# Altium PCB JacdacRp2040BrainEc30-NoStamp 124.PcbDoc (part 1 of 2)
Units mm, origin at the board's own origin, x right, y up, seen from the top; angles counter-clockwise.
Board outline 36.5 x 25 mm, 2 copper layers (Top Layer, Bottom Layer), stack 1.525 mm thick; 82 components, 68 nets, 347 pads, 97 vias.
Unrouted connection lines stored in the file: 41.
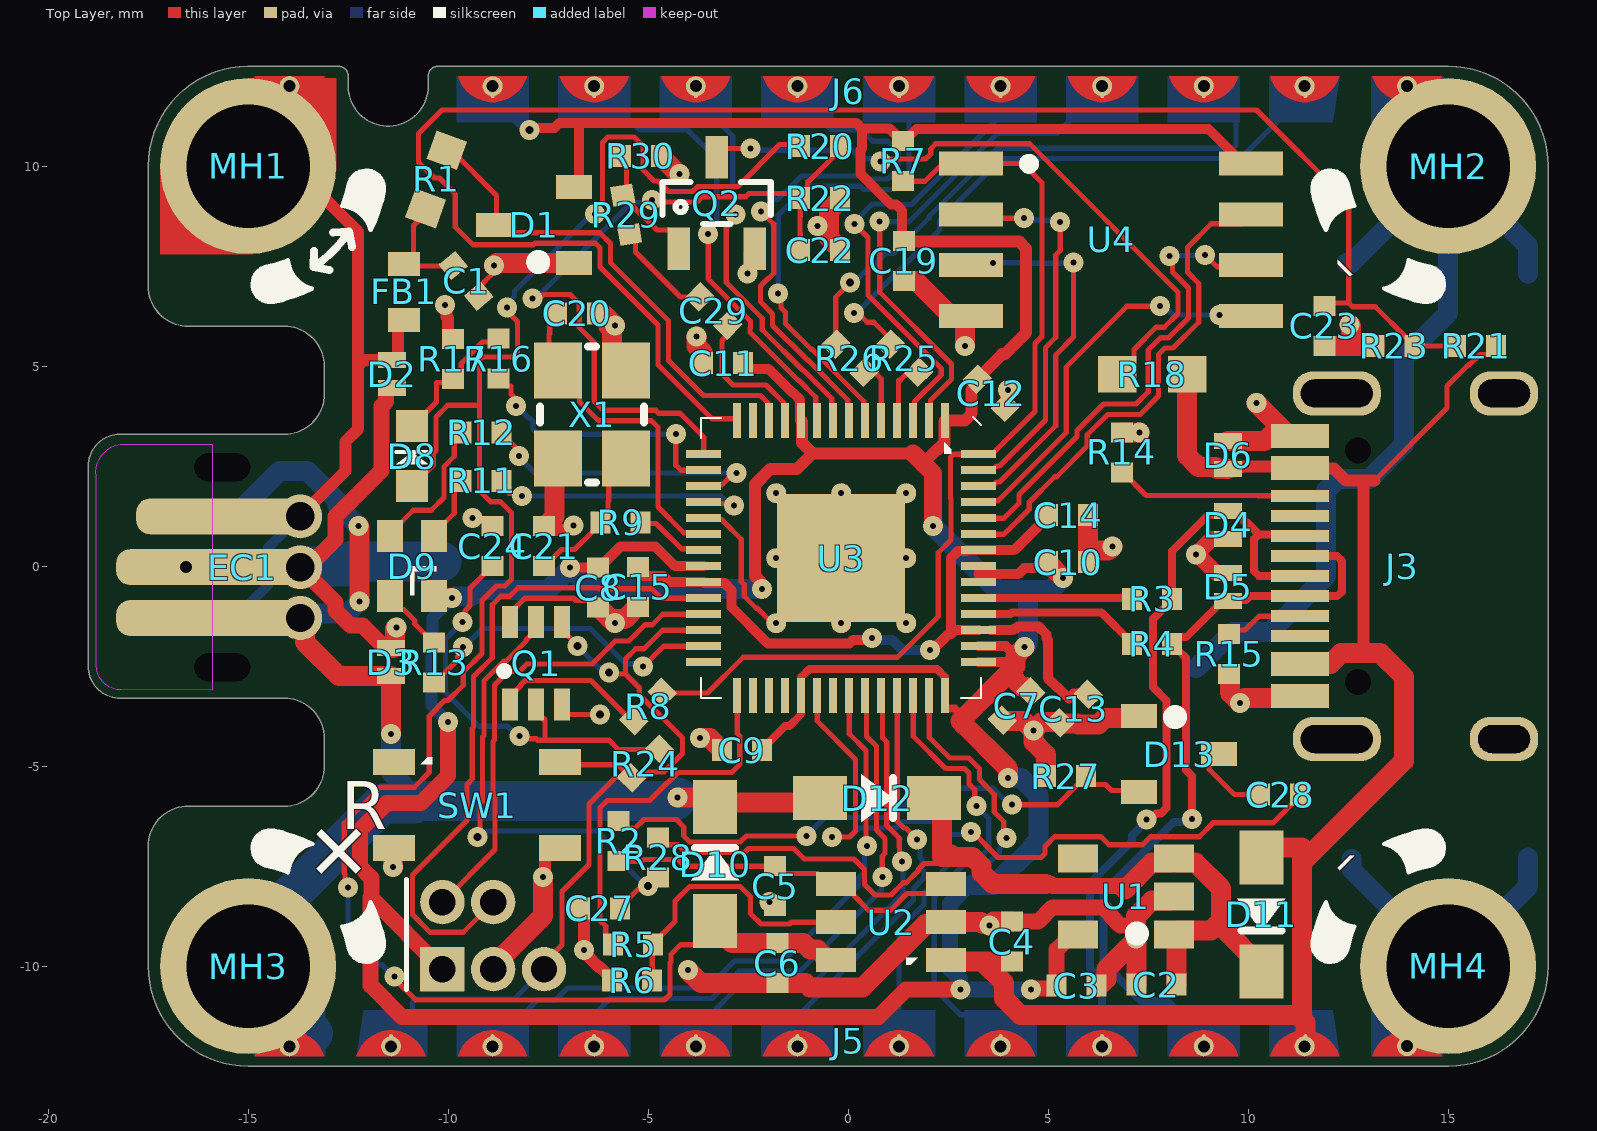
[diagram p0: Top Layer view]
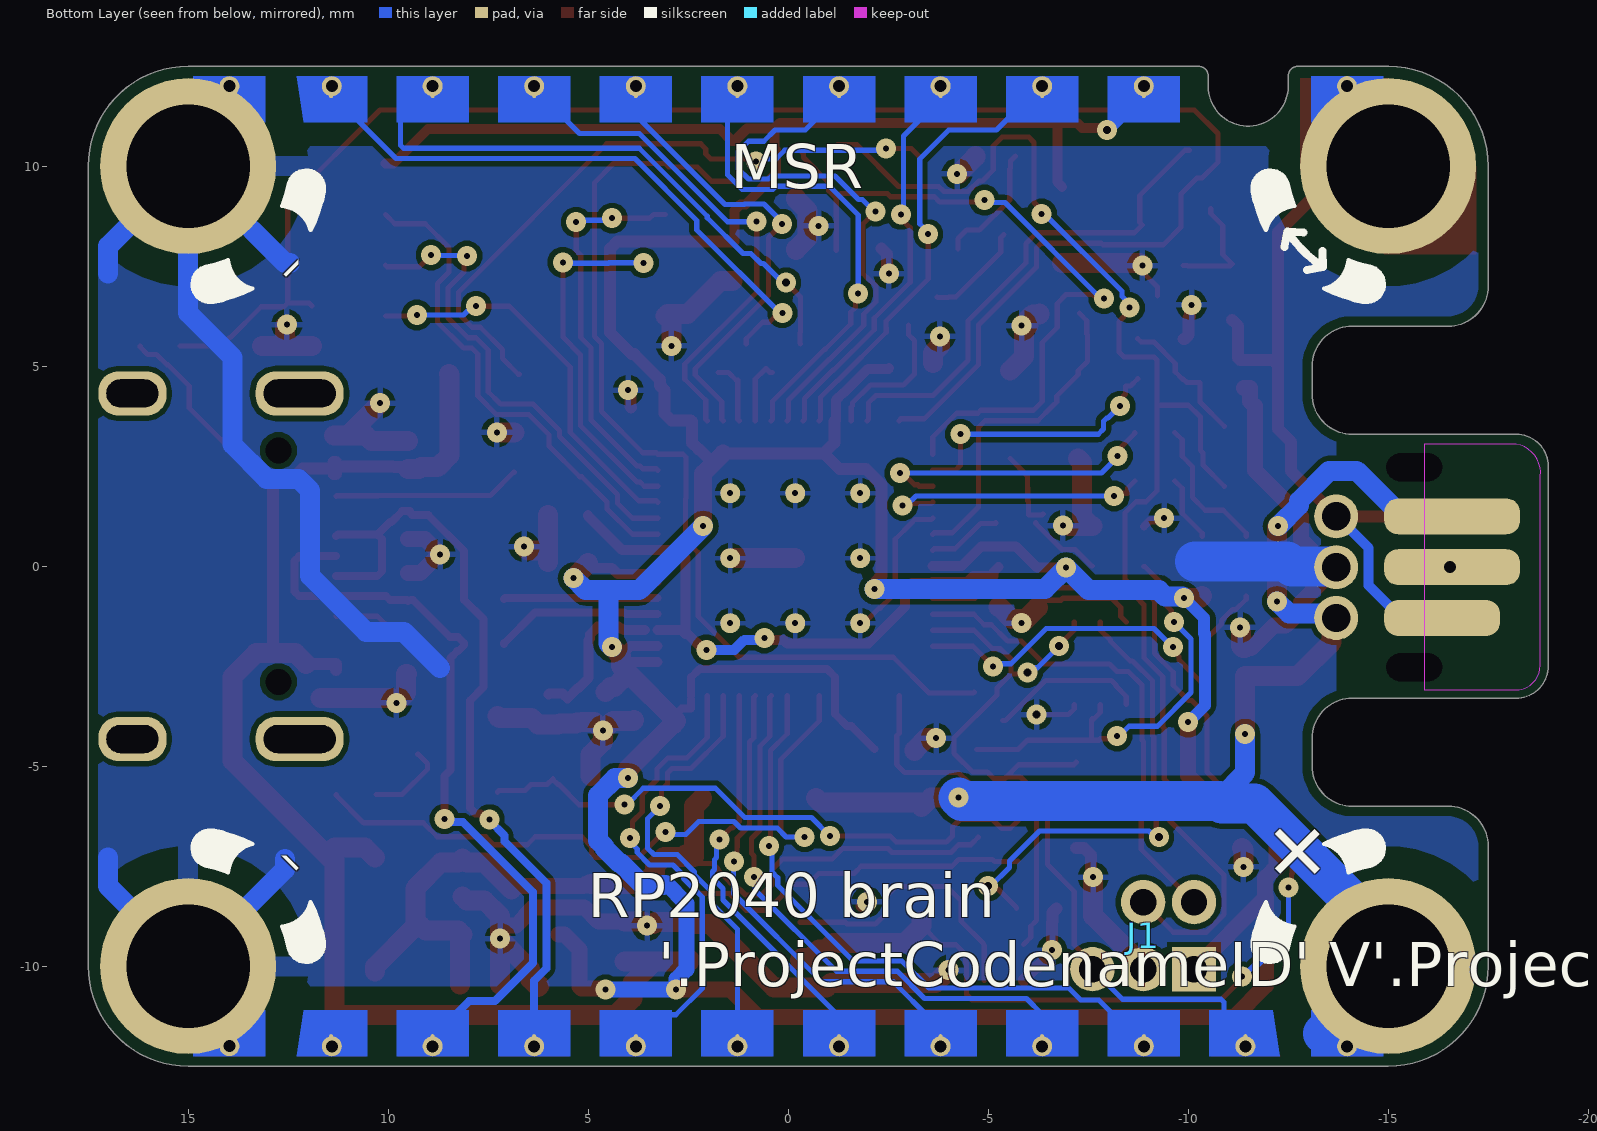
[diagram p1: Bottom Layer view, seen from below]

## Layer stack, top to bottom
Top Solder: solder mask 0.0102, Solder Resist, Dk 3.5
Top Layer: signal copper 0.0356
Dielectric 1: core 1.454, FR-4, Dk 4.2
Bottom Layer: signal copper 0.0356
Bottom Solder: solder mask 0.0102, Solder Resist, Dk 3.5

## Board outline
-17.5,-10 -17.5,-6.97 -17.5,-7 cw(c-16.5,-7) -16.5,-6 -14.1,-6 ccw(c-14.1,-5) -13.1,-5 -13.1,-4.3 ccw(c-14.1,-4.3) -14.1,-3.3 -18.2,-3.3 cw(c-18.2,-2.5) -19,-2.5 -19,2.5 cw(c-18.2,2.5) -18.2,3.3 -14.1,3.3 -14.098,3.3 ccw(c-14.098,4.3) -13.098,4.3 -13.1,4.3 -13.1,5 ccw(c-14.1,5) -14.1,6 -16.5,6 cw(c-16.5,7) -17.5,7 -17.5,6.97 -17.5,10 cw(c-15,10) -15,12.5 -12.75,12.5 cw(c-12.75,12.25) -12.5,12.25 -12.5,12 ccw(c-11.5,12) -10.5,12 -10.5,12.25 cw(c-10.25,12.25) -10.25,12.5 15,12.5 cw(c15,10) 17.5,10 17.5,-10 cw(c15,-10) 15,-12.5 -15,-12.5 cw(c-15,-10)

## Design rules (kind name [scope] priority, off if disabled: settings)
AssemblyTestPointUsage [All] p1: valid=2
BoardOutlineClearance StampHoleBoardOutlineClearance [InComponent('J5') or InComponent('J6')] p1: gap=0 ignorepadtopadclearanceinfootprint=FALSE
BoardOutlineClearance [All] p2: gap=0.25 ignorepadtopadclearanceinfootprint=FALSE except(0: Arc-SplitContinuation Track-SplitContinuation SMDPad-SplitContinuation THPad-SplitContinuation Via-SplitContinuation Fill-SplitContinuation Poly-SplitContinuation Region-SplitContinuation Text-SplitContinuation)
Clearance "Clearance MH" [InComponent('MH1') OR InComponent('MH2') OR InComponent('MH3') OR InComponent('MH4')] p1: gap=0.13 ignorepadtopadclearanceinfootprint=FALSE except(0: Arc-Hole Track-Hole SMDPad-Hole THPad-Hole Via-Hole Fill-Hole Poly-Hole Region-Hole Text-Hole; 0.8: Arc-Fill Arc-Poly Arc-Region Track-Fill Track-Poly Track-Region SMDPad-Fill SMDPad-Poly SMDPad-Region THPad-Fill THPad-Poly THPad-Region Via-Fill Via-Poly Via-Region Fill-Fill Fill-Poly Fill-Region Poly-Poly Poly-Region Region-Region)
Clearance [All] p2: gap=0.13 ignorepadtopadclearanceinfootprint=FALSE except(0: Arc-Hole Track-Hole SMDPad-Hole THPad-Hole Via-Hole Fill-Hole Poly-Hole Region-Hole Text-Hole)
ComponentClearance StampHoleComponentClearance [InComponent('MH1') or InComponent('MH2')  or InComponent('MH3')  or InComponent('MH4') vs InComponent('J5') or InComponent('J6')] p1: gap=0 collisioncheckmode=3 verticalgap=0 showdistances=FALSE
ComponentClearance [All] p2: gap=0.2 collisioncheckmode=3 verticalgap=0.2 showdistances=FALSE
DiffPairsRouting DiffPair_DIFF90DiffPairsRouting [InDifferentialPairClass('DIFF90')] p1: maxlimit=2 minlimit=0.2 mostfreqgap=0.2 toplayer_minwidth=0.2 toplayer_maxwidth=2 toplayer_prefwidth=0.2 bottomlayer_minwidth=0.2 bottomlayer_maxwidth=2 bottomlayer_prefwidth=0.2 substack1={CB9D278B-8BF5-444A-AAF4-837A2A9DF42D} toplayer_{cb9d278b-8bf5-444a-aaf4-837a2a9df42d}_minwidth=0.381 toplayer_{cb9d278b-8bf5-444a-aaf4-837a2a9df42d}_maxwidth=0.381 toplayer_{cb9d278b-8bf5-444a-aaf4-837a2a9df42d}_prefwidth=0.381 bottomlayer_{cb9d278b-8bf5-444a-aaf4-837a2a9df42d}_minwidth=0.381 bottomlayer_{cb9d278b-8bf5-444a-aaf4-837a2a9df42d}_maxwidth=0.381 bottomlayer_{cb9d278b-8bf5-444a-aaf4-837a2a9df42d}_prefwidth=0.381 substack2={826B8647-A721-4255-895A-19F9591B9CD1} toplayer_{826b8647-a721-4255-895a-19f9591b9cd1}_minwidth=0.381 toplayer_{826b8647-a721-4255-895a-19f9591b9cd1}_maxwidth=0.381 toplayer_{826b8647-a721-4255-895a-19f9591b9cd1}_prefwidth=0.381 bottomlayer_{826b8647-a721-4255-895a-19f9591b9cd1}_minwidth=0.381 bottomlayer_{826b8647-a721-4255-895a-19f9591b9cd1}_maxwidth=0.381 bottomlayer_{826b8647-a721-4255-895a-19f9591b9cd1}_prefwidth=0.381 substack3={E64FCAF4-1BC8-437D-B1E0-0E5F2DC0F59E} toplayer_{e64fcaf4-1bc8-437d-b1e0-0e5f2dc0f59e}_minwidth=0.381 toplayer_{e64fcaf4-1bc8-437d-b1e0-0e5f2dc0f59e}_maxwidth=0.381 toplayer_{e64fcaf4-1bc8-437d-b1e0-0e5f2dc0f59e}_prefwidth=0.381 bottomlayer_{e64fcaf4-1bc8-437d-b1e0-0e5f2dc0f59e}_minwidth=0.381 bottomlayer_{e64fcaf4-1bc8-437d-b1e0-0e5f2dc0f59e}_maxwidth=0.381 bottomlayer_{e64fcaf4-1bc8-437d-b1e0-0e5f2dc0f59e}_prefwidth=0.381 substack4={E61CE66C-507C-4E1E-8E83-C905434AFC1C} toplayer_{e61ce66c-507c-4e1e-8e83-c905434afc1c}_minwidth=0.381 toplayer_{e61ce66c-507c-4e1e-8e83-c905434afc1c}_maxwidth=0.381 toplayer_{e61ce66c-507c-4e1e-8e83-c905434afc1c}_prefwidth=0.381 bottomlayer_{e61ce66c-507c-4e1e-8e83-c905434afc1c}_minwidth=0.381 bottomlayer_{e61ce66c-507c-4e1e-8e83-c905434afc1c}_maxwidth=0.381 bottomlayer_{e61ce66c-507c-4e1e-8e83-c905434afc1c}_prefwidth=0.381 filterlayerstackid={285EF71D-43CD-4455-94EE-AC1A71E951D2} maxuncoupledlength=12.7
FabricationTestPointUsage [All] p1: valid=2 allowmultiple=FALSE
HoleSize [All] p1: absolutevalues=TRUE maxlimit=6 minlimit=0.15 maxpercent=80.000 minpercent=20.000
HoleToHoleClearance [All] p1: gap=0.4 allowstackedmicrovias=TRUE
MatchedLengths DiffPair_DIFF90MatchedLengths [InDifferentialPair ('USB_D')] p1: tolerance=25.4 checknetsindiffpair=FALSE checkdiffpairvsdiffpair=TRUE checkxsignals=TRUE checkothers=TRUE
MinimumSolderMaskSliver [All] p1: minsoldermaskwidth=0.005
PlaneClearance [All] p1: clearance=0.15
PlaneConnect [All] p1: planeconnectstyle=Relief reliefexpansion=0.3 reliefentries=4 reliefconductorwidth=0.13 reliefairgap=0.13
PolygonConnect "PolygonConnect MH" [InComponent('MH1') OR InComponent('MH2') OR InComponent('MH3') OR InComponent('MH4')] p1: connectstyle=Relief reliefconductorwidth=0.5 reliefentries=4 polygonreliefangle="90 Angle" airgapwidth=0.8
PolygonConnect "PolygonConnect Vias" [isVIA] p2: connectstyle=Relief reliefconductorwidth=0.15 reliefentries=4 polygonreliefangle="90 Angle" airgapwidth=0.13
PolygonConnect [All] p3: connectstyle=Relief reliefconductorwidth=0.13 reliefentries=4 polygonreliefangle="90 Angle" airgapwidth=0.13
RoutingVias [All] p1: holewidth=0.2 width=0.5 viastyle="Through Hole" minholewidth=0.15 minwidth=0.5 maxholewidth=0.3 maxwidth=0.8
SilkToSilkClearance [All] p1: silktosilkclearance=0.001
SilkToSolderMaskClearance [IsPad] p1: minsilkscreentomaskgap=0.05 clearancetoexposedcopper=TRUE
SolderMaskExpansion [All] p1: expansion=0.075 istentingtop=FALSE
UnRoutedNet [All] p1: checkbadconnections=TRUE
Width [All] p1: maxlimit=2 minlimit=0.13 preferedwidth=0.13 substack1={CB9D278B-8BF5-444A-AAF4-837A2A9DF42D} toplayer_{cb9d278b-8bf5-444a-aaf4-837a2a9df42d}_minwidth=0.15 toplayer_{cb9d278b-8bf5-444a-aaf4-837a2a9df42d}_prefwidth=0.15 bottomlayer_{cb9d278b-8bf5-444a-aaf4-837a2a9df42d}_minwidth=0.15 bottomlayer_{cb9d278b-8bf5-444a-aaf4-837a2a9df42d}_prefwidth=0.15 substack2={826B8647-A721-4255-895A-19F9591B9CD1} toplayer_{826b8647-a721-4255-895a-19f9591b9cd1}_minwidth=0.15 toplayer_{826b8647-a721-4255-895a-19f9591b9cd1}_prefwidth=0.15 bottomlayer_{826b8647-a721-4255-895a-19f9591b9cd1}_minwidth=0.15 bottomlayer_{826b8647-a721-4255-895a-19f9591b9cd1}_prefwidth=0.15 substack3={E64FCAF4-1BC8-437D-B1E0-0E5F2DC0F59E} toplayer_{e64fcaf4-1bc8-437d-b1e0-0e5f2dc0f59e}_minwidth=0.15 toplayer_{e64fcaf4-1bc8-437d-b1e0-0e5f2dc0f59e}_prefwidth=0.15 bottomlayer_{e64fcaf4-1bc8-437d-b1e0-0e5f2dc0f59e}_minwidth=0.15 bottomlayer_{e64fcaf4-1bc8-437d-b1e0-0e5f2dc0f59e}_prefwidth=0.15 substack4={E61CE66C-507C-4E1E-8E83-C905434AFC1C} toplayer_{e61ce66c-507c-4e1e-8e83-c905434afc1c}_minwidth=0.15 toplayer_{e61ce66c-507c-4e1e-8e83-c905434afc1c}_prefwidth=0.15 bottomlayer_{e61ce66c-507c-4e1e-8e83-c905434afc1c}_minwidth=0.15 bottomlayer_{e61ce66c-507c-4e1e-8e83-c905434afc1c}_prefwidth=0.15 minimp=50.000000 maximp=50.000000 favimp=50.000000
18 further rules are at their usual default settings.

## Classes and differential pairs
differential pair USB_D: +USB_D_P -USB_D_N
differential pair MCU_USB_D: +MCU_USB_D_P -MCU_USB_D_N

## Components (designator, comment, footprint, x,y, rotation, side; value= is the part's Value field where it differs from the comment)
C1 "CL05C330JB51PNC" "C0402_0.55MM - without outline" -9.554,7.135 r130 top
C2 "CL05A105KP5NNNC" "C0402_0.55MM - without outline" 7.703,-10.457 r0 top
C3 "CL05A105KP5NNNC" "C0402_0.55MM - without outline" 5.713,-10.482 r180 top
C4 "CL05A475MP5NRNC" "C0402_0.55mm - without outline" 4.09,-9.385 r270 top
C5 "CL05A475MP5NRNC" "C0402_0.55mm - without outline" -1.827,-8 r90 top
C6 "CL05A475MP5NRNC" "C0402_0.55mm - without outline" -1.769,-9.921 r90 top
C7 "CL05A105KP5NNNC" "C0402_0.55MM - without outline" 4.21,-3.493 r45 top
C8 "CL05A105KP5NNNC" "C0402_0.55MM - without outline" -6.25,-0.538 r90 top
C9 "CL05A105KP5NNNC" "C0402_0.55MM - without outline" -2.656,-4.6 r0 top
C10 "CL05A105KP5NNNC" "C0402_0.55MM - without outline" 5.5,0.1 r180 top
C11 "CL05A105KP5NNNC" "C0402_0.55MM - without outline" -3.125,5.075 r0 top
C12 "CL05A105KP5NNNC" "C0402_0.55MM - without outline" 3.576,4.325 r135 top
C13 "CL05A105KP5NNNC" "C0402_0.55MM - without outline" 5.641,-3.559 r45 top
C14 "CL05B104KP5NNNC" "C0402_0.55MM - without outline" 5.5,1.275 r180 top
C15 "CL05B104KP5NNNC" "C0402_0.55MM - without outline" -5.255,-0.516 r90 top
C19 "CL05A105KP5NNNC" "C0402_0.55MM - without outline" 1.392,7.631 r90 top
C20 "CL05C150JB5NNNC" "C0402_0.55MM - without outline" -6.779,6.322 r0 top
C21 "CL05C150JB5NNNC" "C0402_0.55MM - without outline" -7.605,0.505 r90 top
C22 "CL05B104KP5NNNC" "C0402_0.55MM - without outline" -0.7,7.9 r180 top
C23 "CL05B104KP5NNNC" "C0402_0.55MM - without outline" 11.904,6.007 r90 top
C24 "CL05A475MP5NRNC" "C0402_0.55mm - without outline" -8.89,0.505 r270 top
C27 "CL05A475MP5NRNC" "C0402_0.55MM - without outline" -6.208,-8.556 r0 top
C28 "CL05A105KP5NNNC" "C0402_0.55MM - without outline" 10.8,-5.707 r0 top
C29 "CL05A475MP5NRNC" "C0402_0.55mm - without outline" -3.364,6.381 r135 top
D1 "BAT54S" "NXP-BAT54S-TO-236AB - WITHOUT OUTLINE" -7.85,8.53 r180 top
D2 "RCLAMP0521P-N" "TVS 0402 - L" -11.4,4.8 r270 top
D3 "RCLAMP0521P-N" "TVS 0402 - L" -11.425,-2.4 r90 top
D4 "RCLAMP0521P-N" "TVS 0402 - L" 9.5,1.025 r270 top
D5 "RCLAMP0521P-N" "TVS 0402 - L" 9.5,-0.525 r90 top
D6 "RCLAMP0521P-N" "TVS 0402 - L" 9.5,2.775 r90 top
D8 "Everlight Elec'''" "0603 Green" -10.9,2.75 r270 top
D9 "TZ-P4-1615RGBTCA1-0.55T" TZ-P4-1615RGBTCA1-0.55T -10.9,0 r90 top
D10 "RB161MM-20TR" "SOD-123F - without outline" -3.33,-7.45 r270 top
D11 "RB161MM-20TR" "SOD-123F - without outline" 10.33,-8.711 r90 top
D12 "RB161MM-20TR" "SOD-123F - without outline" 0.725,-5.8 r180 top
D13 "BAT54S" "NXP-BAT54S-TO-236AB - without outline" 8.271,-4.698 r0 top
EC1 "Jacdac edge connector" JACDAC_EDGE_CONNECTOR_NO_TRACES_3D_PADS -13.15,-0.023 r90 top
FB1 "TDK MPZ1608S102ATA00" "TDK MPZ1608 0.8mm - without outline" -11.1,6.858 r90 top
J1 "Hack Connect Mini 1.27 mm pitch 2-row" HACK_CONNECT_MINI_5_X_1_27 -10.145,-10.075 r90 bottom
J3 "TYPE-C-31-M-12" TYPE-C-31-M-12 11.3,0 r90 top
J5 "0.1\"" "Jacdac EC30 stamp holes 30mm bottom-NoStamp" 0,-12.5 r180 top
J6 "0.1\"" "Jacdac EC30 stamp holes 30mm top-NoStamp" 0,12.5 r180 top
MH1 "MH_7.0MMK_4.4MMC_3.1MMD_PTH" MH_7.0MMK_4.4MMC_3.1MMD_PTH-SILK_D -15,10 r0 top
MH2 "MH_7.0MMK_4.4MMC_3.1MMD_PTH" MH_7.0MMK_4.4MMC_3.1MMD_PTH-SILK_G 15,10 r90 top
MH3 "MH_7.0MMK_4.4MMC_3.1MMD_PTH" MH_7.0MMK_4.4MMC_3.1MMD_PTH-SILK_P -15,-10 r0 top
MH4 "MH_7.0MMK_4.4MMC_3.1MMD_PTH" MH_7.0MMK_4.4MMC_3.1MMD_PTH-SILK_G 15,-10 r0 top
Q1 "BCM857BS" GENERIC-SOT363-NO-SILK -7.8,-2.423 r0 top
Q2 "2N7002K" SOT23-ONS -3.289,9.08 r0 top
R1 "RC0603FR-07220RL" RC0603 -10.3,9.67 r70 top
R2 "RC0402FR-07330KL" "R0402 - without outline" -5.738,-6.868 r270 top
R3 "RC0402FR-0727RL" "R0402 - Without outline" 7.6,-0.818 r0 top
R4 "RC0402FR-0727RL" "R0402 - Without outline" 7.6,-1.95 r0 top
R5 "RC0402FR-0768KL" "R0402 - Without outline" -5.379,-9.461 r0 top
R6 "RC0402FR-0756KL" "R0402 - Without outline" -5.4,-10.353 r0 top
R7 "RC0402FR-0710KL" "R0402 - Without outline" 1.375,10.125 r270 top
R8 "RC0402FR-071KL" "R0402 - Without outline" -5.005,-3.507 r225 top
R9 "RC0402FR-071KL" "R0402 - Without outline" -5.688,1.095 r0 top
R11 "RC0402FR-0727RL" "R0402 - Without outline" -9.164,2.133 r0 top
R12 "RC0402FR-0727RL" "R0402 - Without outline" -9.164,3.345 r0 top
R13 "RC0402FR-07150RL" "R0402 - Without outline" -10.35,-2.401 r270 top
R14 "RC0402JR-075K1L" "R0402 - Without outline" 6.842,2.849 r90 top
R15 "RC0402JR-075K1L" "R0402 - Without outline" 9.525,-2.196 r270 top
R16 "RC0402FR-0733KL" "R0402 - Without outline" -8.74,5.188 r90 top
R17 "RC0402FR-0756KL" "R0402 - Without outline" -9.884,5.175 r90 top
R18 "RC0603FR-0739RL" RC0603-M 7.6,4.8 r0 top
R20 "RC0402FR-075K6L" "R0402 - Without outline" -0.7,10.5 r180 top
R21 "RC0402FR-075K6L" "R0402 - Without outline" 15.7,5.507 r0 top
R22 "RC0402FR-075K6L" "R0402 - Without outline" -0.7,9.2 r180 top
R23 "RC0402FR-075K6L" "R0402 - Without outline" 13.654,5.507 r0 top
R24 "RC0402FR-07150KL" "R0402 - Without outline" -5.065,-4.935 r45 top
R25 "RC0402JR-070RL" "R0402 - Without outline" 1.405,5.2 r135 top
R26 "RC0402JR-070RL" "R0402 - Without outline" 0.043,5.2 r135 top
R27 "RC0402FR-07100KL" "R0402 - Without outline" 5.444,-5.251 r0 top
R28 "RC0402FR-071ML" "R0402 - Without outline" -4.752,-7.276 r270 top
R29 "RC0402FR-0722KL" "R0402 - Without outline" -5.55,8.785 r280 top
R30 "RC0402FR-07330KL" "R0402 - without outline" -5.181,10.259 r0 top
SW1 "UK-B0267-SP25Y" USAKRO-UK-B0267-SP25Y -9.275,-5.976 r0 top
U1 "ME6211C33M5G-N" MICRONE-SOT23-5 6.941,-8.258 r180 top
U2 "TPS2553DBVR" "TI-TPS2553 - without_outline" 1.075,-8.9 r180 top
U3 "RP2040" RP2040-SAFER-VIAS-0.15mm -0.175,0.2 r270 top
U4 "" 8-SOIC 6.57,8.16 r0 top
X1 "generic SMD xtal 3.2x2.5mm" "generic xtal 3.2x2.5" -6.4,3.792 r90 top

## Footprints (in the part's own frame and the unit in brackets; to place one, negate y for a bottom-side part, rotate by r counter-clockwise, add the part's x,y. Pads: shape width x height; smd on the part's side, far side on the other; paste and mask are expansions set on the pad)
8-SOIC [mm] "0.209\", 5.30mm Width"
  rect 1.6x0.6 smd: 1(-3.5,1.905) 2(-3.5,0.635) 3(-3.5,-0.635) 4(-3.5,-1.905) 5(3.5,-1.905) 6(3.5,-0.635) 7(3.5,0.635) 8(3.5,1.905)
  silkscreen extent -2.15,1.8 -1.95,2, body extent -3.95,-2.64 3.95,2.64, height 1
"0603 Green" [mm]
  rect 0.8x0.8 smd paste-0.05: 1(-0.75,0) 2(0.75,0)
  silkscreen extent -0.1,-0.4 0.2,0.4, body extent -0.79,-0.4 0.81,0.4, height 0.4
"C0402_0.55MM - without outline" [mm]
  rect 0.5x0.55 smd: 1(-0.5,0) 2(0.5,0)
  body extent -0.5,-0.25 0.5,0.25, height 0.55
"C0402_0.55mm - without outline" [mm]
  rect 0.5x0.55 smd: 1(-0.5,0) 2(0.5,0)
  body extent -0.5,-0.25 0.5,0.25, height 0.55
"generic xtal 3.2x2.5" [mm] "rystal SMD 3.2mm x 2.5mm"
  rect 1.4x1.2 smd: 1(-1.1,-0.85) 2(1.1,-0.85) 3(1.1,0.85) 4(-1.1,0.85)
  silkscreen extent -1.7,-1.3 1.7,1.3, body extent -1.6,-1.25 1.6,1.25, height 0.7
GENERIC-SOT363-NO-SILK [mm]
  rect 0.4x0.8 smd mask+0.06: 1(-0.65,-1.03) 2(0,-1.03) 3(0.65,-1.03) 4(0.65,1.03) 5(0,1.03) 6(-0.65,1.03)
  silkscreen extent -0.9,-0.3 -0.7,-0.1, body extent -1.1,-1.2 1.1,1.2, height 1.1
HACK_CONNECT_MINI_5_X_1_27 [mm]
  rect 1.11x1.11 hole 0.66: 1(0,0)
  round 1.11 hole 0.66: 2(1.676,0) 3(0,1.27) 4(1.676,1.27) 5(0,2.54)
"Jacdac EC30 stamp holes 30mm bottom-NoStamp" [mm] "1x12 2.54mm 0.1\" header vertical th"
  round 0.5 hole 0.3 paste-2539.97 mask+0: 1(13.97,-0.498) 3(11.43,-0.499) 5(8.89,-0.499) 7(6.35,-0.499) 9(3.81,-0.499) 11(1.27,-0.499) 13(-1.27,-0.499) 15(-3.81,-0.499) 17(-6.35,-0.499) 19(-8.89,-0.499) 21(-11.411,-0.499) 23(-13.97,-0.5)
  round 0.1 smd paste-2539.97 mask+0: 1(13.97,-0.75) 3(11.43,-0.75) 5(8.89,-0.75) 7(6.35,-0.75) 9(3.81,-0.75) 11(1.27,-0.75) 13(-1.27,-0.75) 15(-3.81,-0.75) 17(-6.35,-0.75) 19(-8.89,-0.75) 21(-11.43,-0.75) 23(-13.97,-0.75)
  round 0.1 smd far side paste-2539.97 mask+0: 1(13.97,-0.75) 3(11.43,-0.75) 5(8.89,-0.75) 7(6.35,-0.75) 9(3.81,-0.75) 11(1.27,-0.75) 13(-1.27,-0.75) 15(-3.81,-0.75) 17(-6.35,-0.75) 19(-8.89,-0.75) 21(-11.43,-0.75) 23(-13.97,-0.75)
  Top Layer region: -12.275,-0.249 -10.546,-0.249 -10.546,-0.248 -10.782,-0.642 -11.181,-0.869 -11.64,-0.869 -12.04,-0.643 -12.275,-0.249
  Top Layer region: -9.755,-0.249 -8.025,-0.249 -8.025,-0.248 -8.261,-0.642 -8.66,-0.869 -9.119,-0.869 -9.519,-0.643 -9.755,-0.249
  Top Layer region: -7.215,-0.249 -5.485,-0.249 -5.485,-0.248 -5.721,-0.642 -6.12,-0.869 -6.579,-0.869 -6.979,-0.643 -7.215,-0.249
  Top Layer region: -4.675,-0.249 -2.945,-0.249 -2.945,-0.248 -3.181,-0.642 -3.58,-0.869 -4.039,-0.869 -4.439,-0.643 -4.675,-0.249
  Top Layer region: -2.135,-0.249 -0.405,-0.249 -0.405,-0.248 -0.641,-0.642 -1.04,-0.869 -1.499,-0.869 -1.899,-0.643 -2.135,-0.249
  Top Layer region: 0.405,-0.249 2.135,-0.249 2.135,-0.248 1.899,-0.642 1.5,-0.869 1.041,-0.869 0.641,-0.643 0.405,-0.249
  Top Layer region: 2.945,-0.249 4.675,-0.249 4.675,-0.248 4.439,-0.642 4.04,-0.869 3.581,-0.869 3.181,-0.643 2.945,-0.249
  Top Layer region: 5.485,-0.249 7.215,-0.249 7.215,-0.248 6.979,-0.642 6.58,-0.869 6.121,-0.869 5.721,-0.643 5.485,-0.249
  Top Layer region: 8.025,-0.249 9.755,-0.249 9.755,-0.248 9.519,-0.642 9.12,-0.869 8.661,-0.869 8.261,-0.643 8.025,-0.249
  Top Layer region: 13.105,-0.248 14.835,-0.248 14.835,-0.248 14.599,-0.642 14.2,-0.868 13.741,-0.869 13.341,-0.642 13.105,-0.248
  Top Layer region: 10.565,-0.249 12.295,-0.249 12.295,-0.248 12.059,-0.642 11.66,-0.869 11.201,-0.869 10.801,-0.643 10.565,-0.249
  Top Layer region: -14.835,-0.25 -13.105,-0.25 -13.105,-0.249 -13.341,-0.643 -13.74,-0.87 -14.199,-0.87 -14.599,-0.644 -14.835,-0.25
  Bottom Layer region: 12.291,-0.249 10.53,-0.249 10.53,-1.4 12.114,-1.4
  Bottom Layer region: -12.291,-0.249 -10.53,-0.249 -10.53,-1.4 -12.114,-1.4
  Bottom Layer region: -14.87,-0.25 -14.87,-0.699 -14.871,-0.699 -13.97,-1.4 -13.07,-1.4 -13.07,-0.25
  Bottom Layer region: -9.79,-0.249 -9.79,-1.4 -7.99,-1.4 -7.99,-0.249
  Bottom Layer region: -7.25,-0.249 -7.25,-1.4 -5.45,-1.4 -5.45,-0.249
  Bottom Layer region: -4.71,-0.249 -4.71,-1.4 -2.91,-1.4 -2.91,-0.249
  Bottom Layer region: -2.17,-0.249 -2.17,-1.4 -0.37,-1.4 -0.37,-0.249
  Bottom Layer region: 0.37,-0.249 0.37,-1.4 2.17,-1.4 2.17,-0.249
  Bottom Layer region: 2.91,-0.249 2.91,-1.4 4.71,-1.4 4.71,-0.249
  Bottom Layer region: 5.45,-0.249 5.45,-1.4 7.25,-1.4 7.25,-0.249
  Bottom Layer region: 7.99,-0.249 7.99,-1.4 9.79,-1.4 9.79,-0.249
  Bottom Layer region: 14.87,-0.248 14.87,-0.698 14.871,-0.697 13.97,-1.398 13.07,-1.398 13.07,-0.248
  body extent -14.87,-1.4 14.87,-0.25, height 0.01
"Jacdac EC30 stamp holes 30mm top-NoStamp" [mm] "1x12 2.54mm 0.1\" header vertical th"
  round 0.5 hole 0.3 paste-2539.97 mask+0: 2(13.97,0.498) 6(8.89,0.499) 8(6.35,0.499) 10(3.81,0.499) 12(1.27,0.499) 14(-1.27,0.499) 16(-3.81,0.499) 18(-6.35,0.499) 20(-8.89,0.499) 22(-11.411,0.499) 24(-13.97,0.5)
  round 0.1 smd paste-2539.97 mask+0: 2(13.97,0.75) 6(8.89,0.75) 8(6.35,0.75) 10(3.81,0.75) 12(1.27,0.75) 14(-1.27,0.75) 16(-3.81,0.75) 18(-6.35,0.75) 20(-8.89,0.75) 22(-11.43,0.75) 24(-13.97,0.75)
  round 0.1 smd far side paste-2539.97 mask+0: 2(13.97,0.75) 6(8.89,0.75) 8(6.35,0.75) 10(3.81,0.75) 12(1.27,0.75) 14(-1.27,0.75) 16(-3.81,0.75) 18(-6.35,0.75) 20(-8.89,0.75) 22(-11.43,0.75) 24(-13.97,0.75)
  Top Layer region: 13.105,0.248 14.835,0.248 14.835,0.248 14.599,0.642 14.2,0.868 13.741,0.869 13.341,0.642 13.105,0.248
  Top Layer region: 8.025,0.249 9.755,0.249 9.755,0.248 9.519,0.642 9.12,0.869 8.661,0.869 8.261,0.643 8.025,0.249
  Top Layer region: 5.485,0.249 7.215,0.249 7.215,0.248 6.979,0.642 6.58,0.869 6.121,0.869 5.721,0.643 5.485,0.249
  Top Layer region: 2.945,0.249 4.675,0.249 4.675,0.248 4.439,0.642 4.04,0.869 3.581,0.869 3.181,0.643 2.945,0.249
  Top Layer region: 0.405,0.249 2.135,0.249 2.135,0.248 1.899,0.642 1.5,0.869 1.041,0.869 0.641,0.643 0.405,0.249
  Top Layer region: -2.135,0.249 -0.405,0.249 -0.405,0.248 -0.641,0.642 -1.04,0.869 -1.499,0.869 -1.899,0.643 -2.135,0.249
  Top Layer region: -4.675,0.249 -2.945,0.249 -2.945,0.248 -3.181,0.642 -3.58,0.869 -4.039,0.869 -4.439,0.643 -4.675,0.249
  Top Layer region: -7.215,0.249 -5.485,0.249 -5.485,0.248 -5.721,0.642 -6.12,0.869 -6.579,0.869 -6.979,0.643 -7.215,0.249
  Top Layer region: -9.755,0.249 -8.025,0.249 -8.025,0.248 -8.261,0.642 -8.66,0.869 -9.119,0.869 -9.519,0.643 -9.755,0.249
  Top Layer region: -12.275,0.249 -10.546,0.249 -10.546,0.248 -10.782,0.642 -11.181,0.869 -11.64,0.869 -12.04,0.643 -12.275,0.249
  Top Layer region: -14.835,0.25 -13.105,0.25 -13.105,0.249 -13.341,0.643 -13.74,0.87 -14.199,0.87 -14.599,0.644 -14.835,0.25
  Bottom Layer region: 14.87,0.248 14.87,0.698 14.871,0.697 13.97,1.398 13.07,1.398 13.07,0.248
  Bottom Layer region: 7.99,0.249 7.99,1.4 9.79,1.4 9.79,0.249
  Bottom Layer region: 5.45,0.249 5.45,1.4 7.25,1.4 7.25,0.249
  Bottom Layer region: 2.91,0.249 2.91,1.4 4.71,1.4 4.71,0.249
  Bottom Layer region: 0.37,0.249 0.37,1.4 2.17,1.4 2.17,0.249
  Bottom Layer region: -2.17,0.249 -2.17,1.4 -0.37,1.4 -0.37,0.249
  Bottom Layer region: -4.71,0.249 -4.71,1.4 -2.91,1.4 -2.91,0.249
  Bottom Layer region: -7.25,0.249 -7.25,1.4 -5.45,1.4 -5.45,0.249
  Bottom Layer region: -9.79,0.249 -9.79,1.4 -7.99,1.4 -7.99,0.249
  Bottom Layer region: -14.87,0.25 -14.87,0.699 -14.871,0.699 -13.97,1.4 -13.07,1.4 -13.07,0.25
  Bottom Layer region: -12.291,0.249 -10.53,0.249 -10.53,1.4 -12.114,1.4
  body extent -14.87,0.25 14.87,1.4, height 0.01
JACDAC_EDGE_CONNECTOR_NO_TRACES_3D_PADS [mm] "Jacdac 3 pin connector with no traces and with 3D bodies for the copper"
  rrect78% 0.9x2.9 smd far side paste-1 mask+0: 1(-1.27,3.2)
  rrect78% 0.9x4.3 smd paste-1 mask+0: 1(1.27,2.5)
  round 1.1 hole 0.71 paste-0.254 mask+0: 1(1.27,0.55) 2(0,0.55) 3(-1.27,0.55)
  rrect78% 0.9x3.4 smd far side paste-1 mask+0: 2(0,3.45) 2(0,3.45) 3(1.27,3.45)
  rrect78% 0.9x4.8 smd paste-1 mask+0: 2(0,2.75) 3(-1.27,2.75)
  round 0 hole 0.7 slot 1.4 at 90 deg unplated: ""(-2.5,2.5) ""(2.5,2.5)
  Top Layer keep-out region: -3.075,2.75 -3.07,5.033 -2.987,5.341 -2.761,5.567 -2.453,5.65 -2.453,5.65 2.27,5.65 2.545,5.635 2.794,5.516 2.978,5.31 3.07,5.05 3.07,5.05 3.07,2.75
  Bottom Layer lines w0.2: -1.27,0.85 -1.126,0.85
  Bottom Layer keep-out region: -3.07,2.75 -3.07,5.033 -3.023,5.269 -2.889,5.469 -2.689,5.603 -2.453,5.65 -2.453,5.65 2.27,5.65 2.546,5.635 2.794,5.516 2.978,5.31 3.07,5.05 3.07,5.05 3.07,2.75
  body extent -1.83,0 1.83,5.15, height 0.01
MH_7.0MMK_4.4MMC_3.1MMD_PTH-SILK_D [mm] "Jacdac mounting hole 7.0mm clearance, 4.4 annualar ring and 3.1mm PTH"
  round 4.4 hole 3.08 mask+0.3: 1(0,0)
  Top Layer region: -2.2,-2.2 0.1,-2.2 2.2,-0.1 2.2,2.2 0,2.2 -2.2,0
  silkscreen extent 0.1,-3.4 3.4,-0.1, body extent -2.21,-3.41 3.41,2.21, height 0.01
MH_7.0MMK_4.4MMC_3.1MMD_PTH-SILK_G [mm] "Jacdac mounting hole 7.0mm clearance, 4.4 annualar ring and 3.1mm PTH"
  round 4.4 hole 3.08 mask+0.3: 1(0,0)
  silkscreen extent -3.4,0.1 -0.1,3.4, body extent -3.41,-2.21 2.2,3.41, height 0.01
MH_7.0MMK_4.4MMC_3.1MMD_PTH-SILK_P [mm] "Jacdac mounting hole 7.0mm clearance, 4.4 annualar ring and 3.1mm PTH"
  round 4.4 hole 3.08 mask+0.3: 1(0,0)
  silkscreen extent 0.1,0.1 3.4,3.4, body extent -2.21,-2.21 3.41,3.41, height 0.01
MICRONE-SOT23-5 [mm]
  rect 1x0.7 smd: 1(-1.2,0.95) 2(-1.2,0) 3(-1.2,-0.95) 4(1.2,-0.95) 5(1.2,0.95)
  silkscreen extent -0.33,0.88 -0.23,0.97, body extent -1.32,-1.5 1.32,1.5, height 1.11
"NXP-BAT54S-TO-236AB - WITHOUT OUTLINE" [mm] "SOT23, 3-Leads, Body 2.90x2.30mm, Pitch 0.95mm, IPC Medium Density"
  rect 0.9x0.6 smd: 1(-1,0.95) 2(-1,-0.95) 3(1,0)
  silkscreen extent -0.15,0.88 -0.05,0.97, body extent -1.32,-1.5 1.32,1.5, height 1.12
"NXP-BAT54S-TO-236AB - without outline" [mm] "SOT23, 3-Leads, Body 2.90x2.30mm, Pitch 0.95mm, IPC Medium Density"
  rect 0.9x0.6 smd: 1(-1,0.95) 2(-1,-0.95) 3(1,0)
  silkscreen extent -0.15,0.88 -0.05,0.97, body extent -1.32,-1.5 1.32,1.5, height 1.12
"R0402 - without outline" [mm]
  rect 0.5x0.55 smd: 1(-0.5,0) 2(0.5,0)
  body extent -0.5,-0.25 0.5,0.25, height 0.35
"R0402 - Without outline" [mm]
  rect 0.5x0.55 smd: 1(-0.5,0) 2(0.5,0)
  body extent -0.5,-0.25 0.5,0.25, height 0.35
RC0603 [mil]
  rect 30x32 smd: 1(-30.5,0) 2(30.5,0)
  body extent -31,-16 32,16, height 28
RC0603-M [mil]
  rect 38x36 smd: 1(-34.5,0) 2(34.5,0)
  body extent -31,-16 32,16, height 28
RP2040-SAFER-VIAS-0.15mm [mm] "QFN-56_7x7"
  rect 0.875x0.2 smd mask+0.051: 1(-3.437,2.6) 2(-3.437,2.2) 3(-3.437,1.8) 4(-3.437,1.4) 5(-3.437,1) 6(-3.437,0.6) 7(-3.437,0.2) 8(-3.437,-0.2) 9(-3.437,-0.6) 10(-3.437,-1) 11(-3.437,-1.4) 12(-3.437,-1.8) 13(-3.437,-2.2) 14(-3.437,-2.6) 29(3.437,-2.6) 30(3.437,-2.2) 31(3.437,-1.8) 32(3.437,-1.4) 33(3.437,-1) 34(3.437,-0.6) 35(3.437,-0.2) 36(3.437,0.2) 37(3.437,0.6) 38(3.437,1) 39(3.437,1.4) 40(3.437,1.8) 41(3.437,2.2) 42(3.437,2.6)
  rect 0.2x0.875 smd mask+0.051: 15(-2.6,-3.437) 16(-2.2,-3.437) 17(-1.8,-3.437) 18(-1.4,-3.437) 19(-1,-3.437) 20(-0.6,-3.437) 21(-0.2,-3.437) 22(0.2,-3.437) 23(0.6,-3.437) 24(1,-3.437) 25(1.4,-3.437) 26(1.8,-3.437) 27(2.2,-3.437) 28(2.6,-3.437) 43(2.6,3.437) 44(2.2,3.437) 45(1.8,3.437) 46(1.4,3.437) 47(1,3.437) 48(0.6,3.437) 49(0.2,3.437) 50(-0.2,3.437) 51(-0.6,3.437) 52(-1,3.437) 53(-1.4,3.437) 54(-1.8,3.437) 55(-2.2,3.437) 56(-2.6,3.437)
  round 0.5 hole 0.15 paste-0.6 mask-0.6: 57(-1.625,1.625) 57(-1.625,0) 57(-1.625,-1.625) 57(0,1.625) 57(0,-1.625) 57(1.625,1.625) 57(1.625,0) 57(1.625,-1.625)
  rect 3.2x3.2 smd paste-3.2 mask+0.051: 57(0,0)
  silkscreen extent -3.52,-3.5 3.5,3.5, body extent -3.51,-3.5 3.5,3.5, height 0.89
"SOD-123F - without outline" [mm] "SODFL, 2-Leads, Body 1.65x3.60mm, IPC Medium Density"
  rect 1.35x1.1 smd: 1(-1.425,0) 2(1.425,0)
  silkscreen extent -0.4,-0.6 0.4,0.6, body extent -1.73,-0.82 1.72,0.82, height 0.95
SOT23-ONS [mil]
  rect 22x42 smd: 1(-37.5,-45) 2(37.5,-45) 3(0,45)
  silkscreen extent -53,-21 53,21, body extent -60,-52 60,52, height 44
"TDK MPZ1608 0.8mm - without outline" [mm]
  rect 0.6x0.8 smd: 1(-0.7,0) 2(0.7,0)
  body extent -0.8,-0.4 0.8,0.4, height 0.8
"TI-TPS2553 - without_outline" [mm] "SOT23, 6-Leads, Body 2.90x2.80mm, Pitch 0.95mm, IPC Medium Density"
  rect 1x0.6 smd: 1(-1.375,0.95) 2(-1.375,0) 3(-1.375,-0.95) 4(1.375,-0.95) 5(1.375,0) 6(1.375,0.95)
  silkscreen extent -0.67,0.89 -0.38,1.06, body extent -1.52,-1.52 1.53,1.53, height 1.1
"TVS 0402 - L" [mm] "TVS 0402 RoHS"
  rect 0.4x0.7 smd paste-0.038 mask+0.05: 1(-0.35,0) 2(0.35,0)
  body extent -0.5,-0.3 0.5,0.3, height 0.5
TYPE-C-31-M-12 [mm] "USB - Type C Female 16 8.94*7.3mm USB Connectors RoHS"
  rrect90% 1.1x2.2 hole 0.7 slot 1.8 at 90 deg: 1(-4.32,-0.915) 4(4.32,-0.915)
  rrect90% 0x0 hole 0.65 unplated: 1(-2.89,-1.445)
  round 0 hole 0.65 unplated: 1(2.89,-1.445)
  rrect90% 1.1x1.7 hole 0.7 slot 1.3 at 90 deg: 2(-4.32,-5.095) 3(4.32,-5.095)
  rect 0.3x1.45 smd paste-0.254 mask+0.05: A1(-3.4,0)
  rect 0.3x1.45 smd mask+0.05: A4(-2.6,0) A5(-1.25,0) A6(-0.25,0) A7(0.25,0) A8(1.25,0) A9(2.6,0) A12(3.4,0) B1(3.1,0) B4(2.3,0) B5(1.75,0) B6(0.75,0) B7(-0.75,0.006) B8(-1.75,0) B9(-2.3,0) B12(-3.1,0)
  body extent -4.47,-7.7 4.47,0.21, height 3.31
TZ-P4-1615RGBTCA1-0.55T [mm] "1615 Light Emitting Diodes (LED) RoHS"
  rect 0.8x0.65 smd mask+0.05: 1(-0.75,-0.55) 2(-0.75,0.55) 3(0.75,0.55) 4(0.75,-0.55)
  silkscreen extent -0.73,-0.6 0,0.05, body extent -0.8,-0.75 0.8,0.75, height 0.55
USAKRO-UK-B0267-SP25Y [mm] "4.20mm x 3.20mm"
  rect 1.05x0.65 smd: 1(-2.075,1.075) 2(2.075,1.075) 3(-2.075,-1.075) 4(2.075,-1.075)
  silkscreen extent -1.41,1.02 -1.12,1.2, body extent -2.29,-1.6 2.29,1.6, height 2.5
